# Altium PCB jetson-orin-baseboard.PcbDoc (part 3 of 4) (continued)
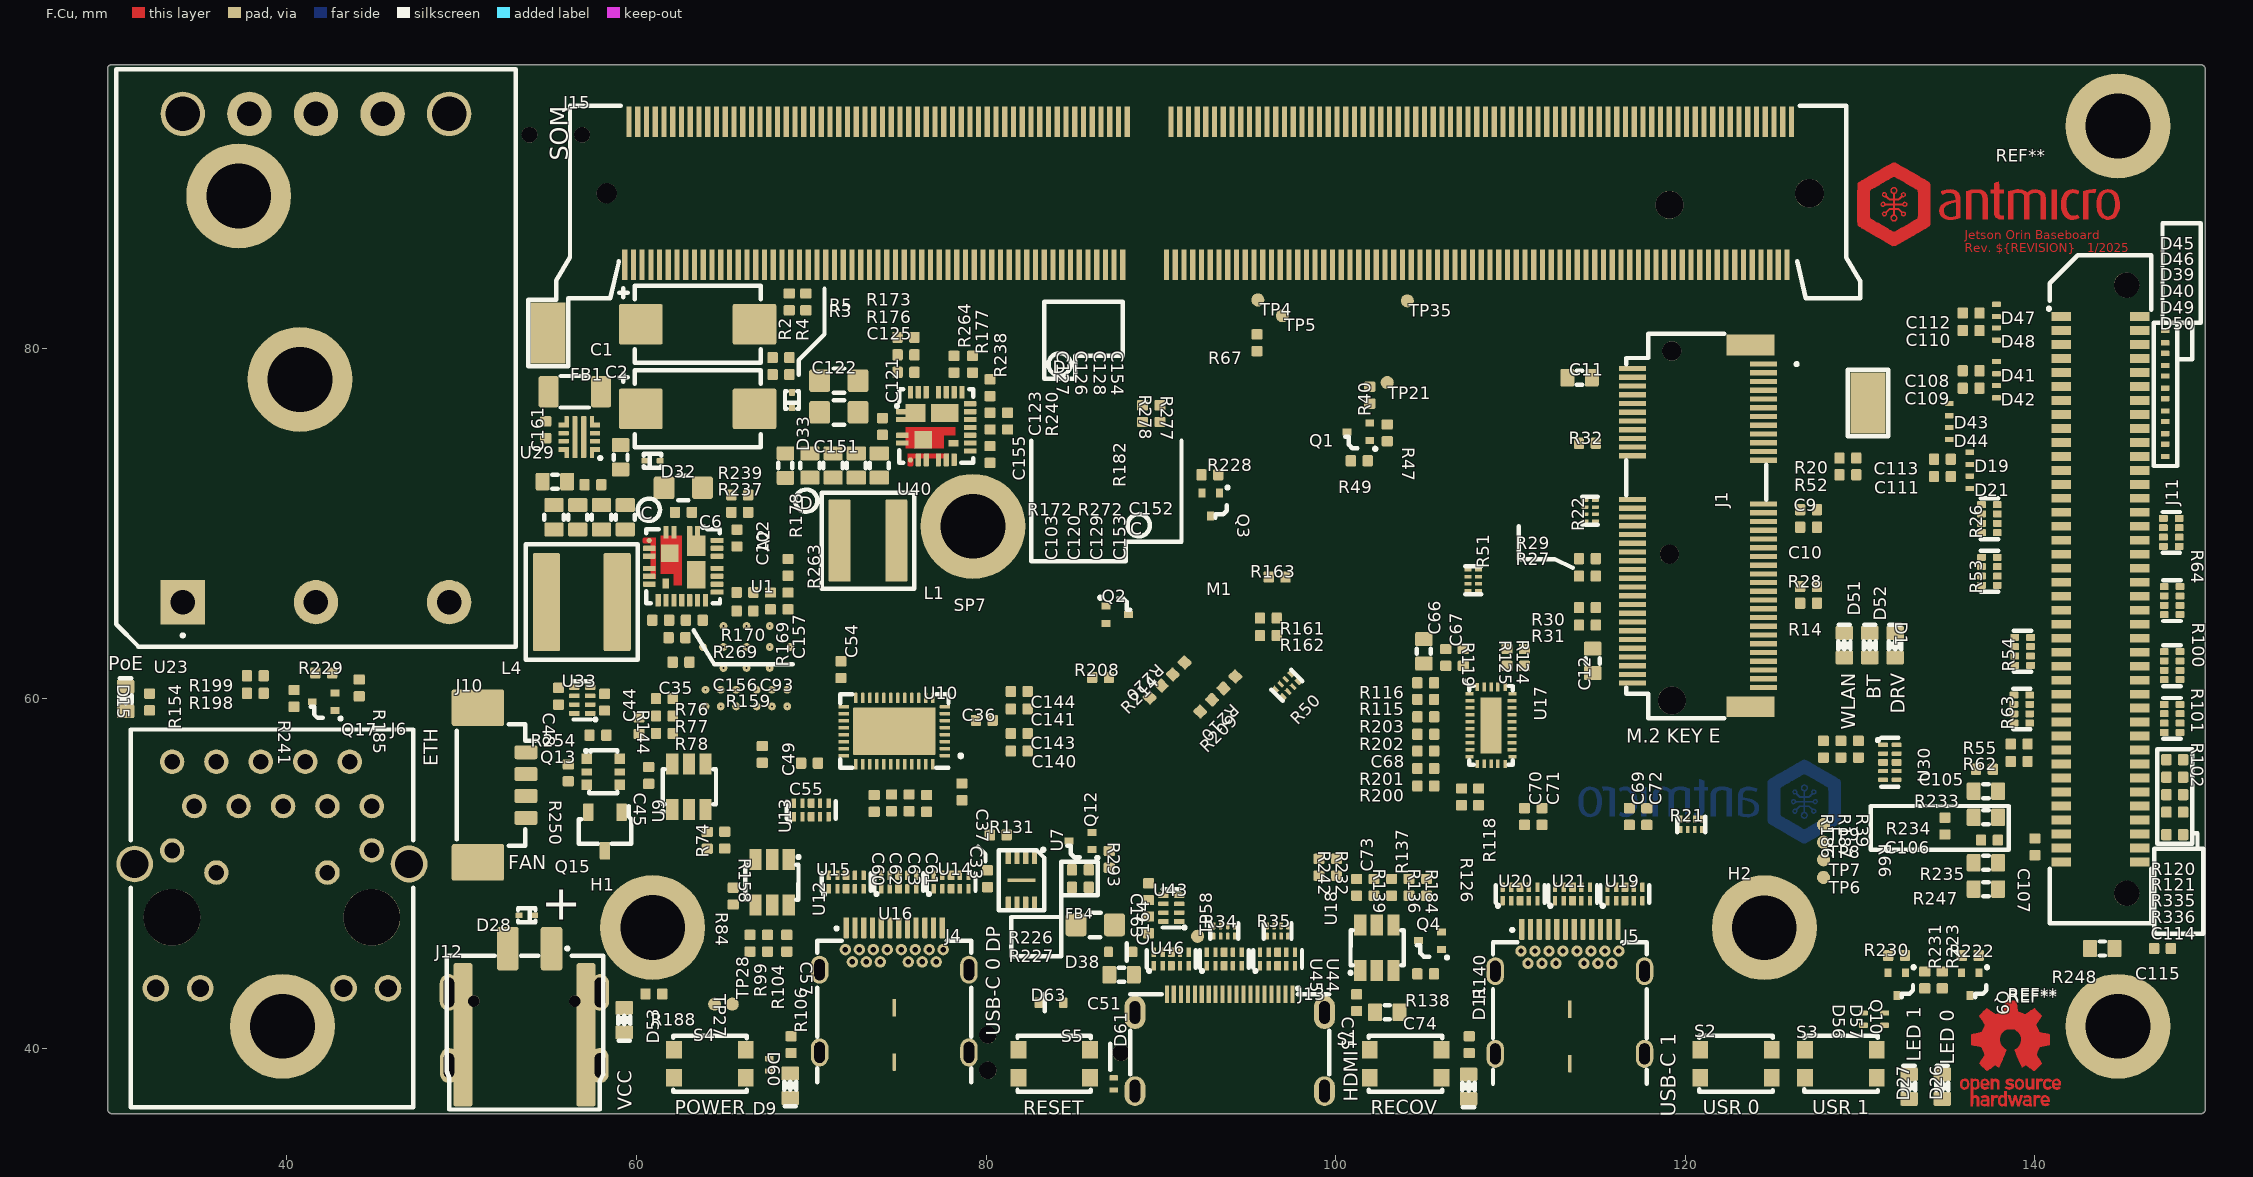
[diagram p0: F.Cu view]
## Part data (continued)
J1: library part Bus_M.2_2199230-6, Manufacturer 1="TE Connectivity", Author=Antmicro, License=Apache-2.0, Manufacturer Part Number 1=2199230-6, OldValue=Bus_M.2_2199230-6
J2: library part Bus_M.2_1-2199230-6, Manufacturer 1="TE Connectivity", Author=Antmicro, License=Apache-2.0, Manufacturer Part Number 1=1-2199230-6, OldValue=Bus_M.2_1-2199230-6
J3: library part USB-C_GCT_USB4105-GF-A, Manufacturer 1=GCT, Author=Antmicro, License=Apache-2.0, Manufacturer Part Number 1=USB4105-GF-A, OldValue=USB-C_GCT_USB4105-GF-A
J4 J5: library part USB-C_WE_632723300011, Manufacturer 1="Würth Elektronik", Author=Antmicro, License=Apache-2.0, Manufacturer Part Number 1=632723300011, OldValue=USB-C_WE_632723300011
J6: library part Bus_RJ45_5-2337992-8, Manufacturer 1="TE Connectivity", Author=Antmicro, License=Apache-2.0, Manufacturer Part Number 1=5-2337992-8, OldValue=Bus_RJ45_5-2337992-8
J7 J8: library part Conn_FFC_WE_68715014522, Manufacturer 1="Würth Elektronik", Author=Antmicro, License=Apache-2.0, Manufacturer Part Number 1=68715014522, OldValue=Conn_FFC_WE_68715014522
J9: library part Tag-Connect_TC2050-IDC-NL_2x5_P1.27mm_1, Manufacturer 1="Tag Connect", OldValue=Tag-Connect_TC2050-IDC-NL_2x5_P1.27mm, Author=Antmicro, License=Apache-2.0, Manufacturer Part Number 1=TC2050-IDC-NL
J10: library part Molex_PicoBlade_1x4_0533980471, Manufacturer 1=Molex, Author=Antmicro, License=Apache-2.0, Manufacturer Part Number 1=0533980471, OldValue=Molex_PicoBlade_1x4_0533980471
J11: library part Socket_Samtec_ERF8_2x40_ERF8-040-05.0-L-DV-K-TR, Manufacturer 1=Samtec, Author=Antmicro, License=Apache-2.0, Manufacturer Part Number 1=ERF8-040-05.0-L-DV-K-TR, OldValue=Socket_Samtec_ERF8_2x40_ERF8-040-05.0-L-DV-K-TR, Pitch="0.8 mm"
J12: library part Molex_Nano-Fit_1x2_SMD_1054301202, Manufacturer 1=Molex, Author=Antmicro, License=Apache-2.0, Manufacturer Part Number 1=105430-1202, OldValue=Molex_Nano-Fit_1x2_SMD_1054301202
J13: library part HDMI-Mini-C_WE_685119136923, Manufacturer 1="Würth Elektronik", Author=Antmicro, License=Apache-2.0, Manufacturer Part Number 1=685119136923, OldValue=HDMI-Mini-C_WE_685119136923
J14: library part JST_SH_1x4_SM04B-SRSS-TB-LF-SN, Manufacturer 1="JST Automotive Connectors", Author=Antmicro, License=Apache-2.0, Manufacturer Part Number 1=SM04B-SRSS-TB(LF)(SN), OldValue=JST_SH_1x4_SM04B-SRSS-TB-LF-SN
J15: library part Bus_DDR4_SODIMM_CUSTOM_Jetson-Orin-H9.2mm-socket, Manufacturer 1="TE Connectivity", Author=Antmicro, License=Apache-2.0, Manufacturer Part Number 1=2309413-1, OldValue=Bus_DDR4_SODIMM_CUSTOM_Jetson-Orin-H9.2mm-socket
L1: library part L_560n_17.7A_Bourns-SRP5030CA, Manufacturer 1=Bourns, Author=Antmicro, IMax="17.7 A", ISat="22.2 A", License=Apache-2.0, Manufacturer Part Number 1=SRP5030CA-R56M, OldValue=L_560n_17.7A_Bourns-SRP5030CA, Size=5.5x5.3, Val=560n/17.7A
L4: library part L_1u_20A_Bourns-SRP6050CA, Manufacturer 1=Bourns, Author=Antmicro, IMax="20 A", ISat="23 A", License=Apache-2.0, Manufacturer Part Number 1=SRP6050CA-1R0M, OldValue=L_1u_20A_Bourns-SRP6050CA, Size=6.6x6.4, Val=1u/20A
M1: library part Jetson-Orin-NX-Nano, Manufacturer 1=Nvidia, Author=Antmicro, Displayed name="Jetson Orin NX Nano", License=Apache-2.0, Manufacturer Part Number 1=900-13767-0000-000, OldValue=Jetson-Orin-NX-Nano
M1: library part Module_Jetson-Orin-NX-Nano, "Jetson Orin NX series and Jetson Orin Nano", OldValue=Jetson-Orin-NX-Nano, Manufacturer 1=Nvidia, Manufacturer Part Number 1=900-13767-0000-000, Footprint=antmicro-footprints:Module_Jetson-Orin-NX-Nano, Datasheet=https://static6.arrow.com/aropdfconversion/c4902ff7fe8bae4b5d563d5e41c1cfab77501490/jetson-orin-nx-datasheet-nvidia-us-web-2605318-5.pdf, Author=Antmicro, Displayed name="Jetson Orin NX Nano", License=Apache-2.0
M3: library part Mech_M2_2280_H2.5mm, Footprint=antmicro-footprints:Mech_M2_2280_H2.5mm, Author=Antmicro, License=Apache-2.0, OldValue=Mech_M2_2280_H2.5mm
Q1 Q2 Q3 Q4 Q5 Q7 Q8 Q9 Q10 Q11 Q12 Q17 Q19 Q20 Q21: library part PJE138K, Manufacturer 1=PANJIT, Author=Antmicro, License=Apache-2.0, Manufacturer Part Number 1=PJE138K_R1_00001, OldValue=PJE138K
Q6 Q15 Q16 Q18: library part SSM3J332R, Manufacturer 1=Toshiba, Author=Antmicro, License=Apache-2.0, Manufacturer Part Number 1=SSM3J332R,LF, OldValue=SSM3J332R
Q13 Q14 U26: Manufacturer 1="Diodes Incorporated", Author=Antmicro, License=Apache-2.0
  Q13 Q14: Manufacturer Part Number 1=BCM857BS-7-F, OldValue=BCM857BS-7-F
  U26: Manufacturer Part Number 1=PI4MSD5V9548AZDEX, OldValue=PI4MSD5V9548AZDEX
R1 R2 R3 R4 R5 R11 R12 R13 R14 R15 R16 R17 R18 R19 R20 R23 R29 R30 R31 R40 R41 R52 R55 R56 R57 R58 R59 R62 R65 R70 R71 R75 R76 R79 R82 R84 R118 R119 R120 R121 R124 R125 R129 R134 R141 R158 R161 R162 R166 R167 R168 R171 R174 R179 R183 R200 R201 R202 R203 R215 R216 R217 R218 R225 R226 R241 R244 R245 R260 R264 R268 R277 R278 R293: library part R_0R_0402, Current=1A, Manufacturer 1=Panasonic, Tolerance=~, Author=Antmicro, License=Apache-2.0, Manufacturer Part Number 1=ERJ2GE0R00X, OldValue=R_0R_0402, Val=0R
R6 R43 R45 R180 R185 R192 R205 R207 R222 R229 R230 R249 R270: library part R_100k_0402, Manufacturer 1=Bourns, Tolerance=1%, Author=Antmicro, License=Apache-2.0, Manufacturer Part Number 1=CR0402-FX-1003GLF, OldValue=R_100k_0402, Val=100k
R7 R8 R9 R10 R80 R81 R105 R106 R130 R164 R165 R246 R262: library part R_4k7_0402, Manufacturer 1=Bourns, Tolerance=1%, Author=Antmicro, License=Apache-2.0, Manufacturer Part Number 1=CR0402-FX-4701GLF, OldValue=R_4k7_0402, Val=4k7
R21 R22 R25 R33 R34 R35 R50 R51 R103 R107 R108 R122 R195 R204: library part R_4x0R_0201_array, Manufacturer 1=Panasonic, Author=Antmicro, License=Apache-2.0, Manufacturer Part Number 1=EXB-18VR000X, OldValue=R_4x0R_0201_array, Val=4x0R_0201
R24 R47 R49 R60 R66 R67 R83 R99 R131 R135 R136 R137 R138 R148 R149 R150 R153 R160 R163 R181 R188 R189 R193 R194 R211 R219 R228 R232 R238 R242 R250 R251 R254 R255 R259 R269 R275: library part R_10k_0402, Manufacturer 1=Bourns, Tolerance=1%, Author=Antmicro, License=Apache-2.0, Manufacturer Part Number 1=CR0402-FX-1002GLF, OldValue=R_10k_0402, Val=10k
R26 R53 R54 R63 R64 R100 R101 R102: library part R_4x330R_0402_array, Manufacturer 1=Panasonic, Author=Antmicro, License=Apache-2.0, Manufacturer Part Number 1=EXB-28V331JX, OldValue=R_4x330R_0402_array, Val=R_4x330R_0402
R27 R28 R32 R37 R38: library part R_47k_0402, Manufacturer 1=Bourns, Tolerance=1%, Author=Antmicro, License=Apache-2.0, Manufacturer Part Number 1=CR0402-FX-4702GLF, OldValue=R_47k_0402, Val=47k
R36 R48: library part R_4x2k2_0201_array, Manufacturer 1=Panasonic, Author=Antmicro, License=Apache-2.0, Manufacturer Part Number 1=EXB-18V222JX, OldValue=R_4x2k2_0201_array, Val=4x2k2_0201
R39 R68 R69 R72 R73 R132 R133 R147 R151 R152 R186 R187 R191 R223 R231 R236: library part R_200R_0402, Manufacturer 1=Bourns, Tolerance=1%, Author=Antmicro, License=Apache-2.0, Manufacturer Part Number 1=CR0402-FX-2000GLF, OldValue=R_200R_0402, Val=200R
R42 R44 R115: library part R_10k_0402_2, Manufacturer 1=Bourns, OldValue=R_10k_0402, Tolerance=1%, Author=Antmicro, License=Apache-2.0, Manufacturer Part Number 1=CR0402-FX-1002GLF, Val=10k
R46 R116: library part R_10k_0402_1, Manufacturer 1=Bourns, OldValue=R_10k_0402, Tolerance=1%, Author=Antmicro, License=Apache-2.0, Manufacturer Part Number 1=CR0402-FX-1002GLF, Val=10k
R61 R126 R257 R258 R261 R265 R266: library part R_200k_0402, Manufacturer 1=Bourns, Tolerance=1%, Author=Antmicro, License=Apache-2.0, Manufacturer Part Number 1=CR0402-FX-2003GLF, OldValue=R_200k_0402, Val=200k
R74: library part R_10k_0402_4, Manufacturer 1=Bourns, OldValue=R_10k_0402, Tolerance=1%, Author=Antmicro, License=Apache-2.0, Manufacturer Part Number 1=CR0402-FX-1002GLF, Val=10k
R77: library part R_10k_0402_3, Manufacturer 1=Bourns, OldValue=R_10k_0402, Tolerance=1%, Author=Antmicro, License=Apache-2.0, Manufacturer Part Number 1=CR0402-FX-1002GLF, Val=10k
R78 R104 R139 R208 R227 R279 R280 R281 R282 R294: library part R_2k2_0402, Manufacturer 1=Bourns, Tolerance=1%, Author=Antmicro, License=Apache-2.0, Manufacturer Part Number 1=CR0402-FX-2201GLF, OldValue=R_2k2_0402, Val=2k2
R85 R86 R87 R88 R89 R90 R91 R92 R93 R94 R95 R96 R97 R98 R111 R155 R156 R184 R256 R267: library part R_1k_0402, Manufacturer 1=Bourns, Tolerance=1%, Author=Antmicro, License=Apache-2.0, Manufacturer Part Number 1=CR0402-FX-1001GLF, OldValue=R_1k_0402, Val=1k
R109 R110: library part R_2M_0402, Manufacturer 1=YAGEO, Tolerance=1%, Author=Antmicro, License=Apache-2.0, Manufacturer Part Number 1=RC0402FR-072ML, OldValue=R_2M_0402, Val=2M
R112: library part R_4x100R_0201_array, Manufacturer 1=Panasonic, Author=Antmicro, License=Apache-2.0, Manufacturer Part Number 1=EXB-18V101JX, OldValue=R_4x100R_0201_array, Val=R_4x100R_0201
R113: library part R_0R_0402_6, Current=1A, Manufacturer 1=Panasonic, OldValue=R_0R_0402, Tolerance=~, Author=Antmicro, License=Apache-2.0, Manufacturer Part Number 1=ERJ2GE0R00X, Val=0R
R114: library part R_0R_0402_1, Current=1A, Manufacturer 1=Panasonic, OldValue=R_0R_0402, Tolerance=~, Author=Antmicro, License=Apache-2.0, Manufacturer Part Number 1=ERJ2GE0R00X, Val=0R
R117 R127: library part R_27R_0402, Manufacturer 1=Bourns, Tolerance=1%, Author=Antmicro, License=Apache-2.0, Manufacturer Part Number 1=CR0402-FX-27R0GLF, OldValue=R_27R_0402, Val=27R
R123: library part R_1k3_0402, Manufacturer 1=Bourns, Tolerance=1%, Author=Antmicro, License=Apache-2.0, Manufacturer Part Number 1=CR0402-FX-1301GLF, OldValue=R_1k3_0402, Val=1k3
R128: library part R_887k_0402, Manufacturer 1=Panasonic, Tolerance=1%, Author=Antmicro, License=Apache-2.0, Manufacturer Part Number 1=ERJ-2RKF8873X, OldValue=R_887k_0402, Val=887k
R140 R197 R206 R335 R336: library part R_470R_0402, Manufacturer 1=Bourns, Tolerance=1%, Author=Antmicro, License=Apache-2.0, Manufacturer Part Number 1=CR0402-FX-4700GLF, OldValue=R_470R_0402, Val=470R
R142: library part R_49k9_0402, Manufacturer 1=Bourns, Tolerance=1%, Author=Antmicro, License=Apache-2.0, Manufacturer Part Number 1=CR0402-FX-4992GLF, OldValue=R_49k9_0402, Val=49k9
R143 R172 R175 R178 R182 R233 R235 R248 R252 R253: library part R_0R_22.4A_0603, Manufacturer 1="ROHM Semiconductor", Max. Curr.=22.4A, Tolerance=template_tolerance, Author=Antmicro, License=Apache-2.0, Manufacturer Part Number 1=PMR03EZPJ000, OldValue=R_0R_22.4A_0603, Val=0R
R144: library part R_0R_0402_11, Current=1A, Manufacturer 1=Panasonic, OldValue=R_0R_0402, Tolerance=~, Author=Antmicro, License=Apache-2.0, Manufacturer Part Number 1=ERJ2GE0R00X, Val=0R
R145: library part R_1k2_0402, Manufacturer 1=Bourns, Tolerance=1%, Author=Antmicro, License=Apache-2.0, Manufacturer Part Number 1=CR0402-FX-1201GLF, OldValue=R_1k2_0402, Val=1k2
R146 R154: library part R_24k9_0402, Manufacturer 1=Bourns, Tolerance=1%, Author=Antmicro, License=Apache-2.0, Manufacturer Part Number 1=CR0402-FX-2492GLF, OldValue=R_24k9_0402, Val=24k9
R157 R234 R243 R247 R273 R276: library part R_0R_0603, Current=1A, Manufacturer 1=Bourns, Tolerance=~, Author=Antmicro, License=Apache-2.0, Manufacturer Part Number 1=CR0603-J/-000ELF, OldValue=R_0R_0603, Val=0R
R159 R173 R176 R237 R239 R240: library part R_499k_0402, Manufacturer 1=Bourns, Tolerance=1%, Author=Antmicro, License=Apache-2.0, Manufacturer Part Number 1=CR0402-FX-4993GLF, OldValue=R_499k_0402, Val=499k
R169: library part R_2k7_0402, Manufacturer 1=Bourns, Tolerance=1%, Author=Antmicro, License=Apache-2.0, Manufacturer Part Number 1=CR0402-FX-2701GLF, OldValue=R_2k7_0402, Val=2k7
R170: library part R_73k2_0402, Manufacturer 1=Bourns, Tolerance=1%, Author=Antmicro, License=Apache-2.0, Manufacturer Part Number 1=CR0402-FX-7322GLF, OldValue=R_73k2_0402, Val=73k2
R177: library part R_45k3_0402, Manufacturer 1=Bourns, Tolerance=1%, Author=Antmicro, License=Apache-2.0, Manufacturer Part Number 1=CR0402-FX-4532GLF, OldValue=R_45k3_0402, Val=45k3
R190: library part R_15k_0402, Manufacturer 1=Bourns, Tolerance=1%, Author=Antmicro, License=Apache-2.0, Manufacturer Part Number 1=CR0402-FX-1502GLF, OldValue=R_15k_0402, Val=15k
R196: library part R_63R4_0603, Manufacturer 1=Bourns, Tolerance=1%, Author=Antmicro, License=Apache-2.0, Manufacturer Part Number 1=CR0603-FX-63R4ELF, OldValue=R_63R4_0603, Val=63R4
R198 R199 R272 R274: library part R_470k_0402, Manufacturer 1=Bourns, Tolerance=1%, Author=Antmicro, License=Apache-2.0, Manufacturer Part Number 1=CR0402-FX-4703GLF, OldValue=R_470k_0402, Val=470k
R209 R210 R212 R213 R214 R220 R221 R224: library part R_499R_0402, Manufacturer 1=Bourns, Tolerance=1%, Author=Antmicro, License=Apache-2.0, Manufacturer Part Number 1=CR0402-FX-4990GLF, OldValue=R_499R_0402, Val=499R
R263: library part R_20k_0402, Manufacturer 1=Bourns, Tolerance=1%, Author=Antmicro, License=Apache-2.0, Manufacturer Part Number 1=CR0402-FX-2002GLF, OldValue=R_20k_0402, Val=20k
R271: library part R_10M_0402, Manufacturer 1=Bourns, Tolerance=1%, Author=Antmicro, License=Apache-2.0, Manufacturer Part Number 1=CR0402-FX-1005GLF, OldValue=R_10M_0402, Val=10M
REF** REF**: library part antmicro-logo_scaled_15mm
REF**: library part OSHW-Logo_5.7x6mm_Mask, "Open Source Hardware Logo"
REF**: library part OSHW-Logo_5.7x6mm_Copper, "Open Source Hardware Logo"
S1 S2 S3 S4 S5: library part SW_KMR211NGLFS_SMD, Manufacturer 1=C&K, Author=Antmicro, License=Apache-2.0, Manufacturer Part Number 1=KMR211NGLFS, OldValue=SW_KMR211NGLFS_SMD
SP7: library part Spacer_Drill3.7mm_H2.5mm_9774025151R, Manufacturer 1="Würth Elektronik", Author=Antmicro, License=Apache-2.0, Manufacturer Part Number 1=9774025151R, OldValue=Spacer_Drill3.7mm_H2.5mm_9774025151R
SP8: library part Spacer_Drill3.7mm_H2.5mm_9774025151R_1, Manufacturer 1="Würth Elektronik", OldValue=Spacer_Drill3.7mm_H2.5mm_9774025151R, Author=Antmicro, License=Apache-2.0, Manufacturer Part Number 1=9774025151R
SW1: library part SW_SPDT_PCM12SMTR, Manufacturer 1=C&K, Author=Antmicro, License=Apache-2.0, Manufacturer Part Number 1=PCM12SMTR, OldValue=SW_SPDT_PCM12SMTR
TP2 TP12 TP24 TP30 TP33: library part TP_0.75mm_SMD_3, Author=Antmicro, License=Apache-2.0, OldValue=TP_0.75mm_SMD
TP3 TP10 TP25: library part TP_0.75mm_SMD_1, Author=Antmicro, License=Apache-2.0, OldValue=TP_0.75mm_SMD
TP4 TP26: library part TP_0.75mm_SMD_5, Author=Antmicro, License=Apache-2.0, OldValue=TP_0.75mm_SMD
TP5 TP13: library part TP_0.75mm_SMD_4, Author=Antmicro, License=Apache-2.0, OldValue=TP_0.75mm_SMD
TP11 TP18 TP44: library part TP_0.75mm_SMD_2, Author=Antmicro, License=Apache-2.0, OldValue=TP_0.75mm_SMD
TP19: library part TP_0.75mm_SMD_7, Author=Antmicro, License=Apache-2.0, OldValue=TP_0.75mm_SMD
TP20: library part TP_0.75mm_SMD_6, Author=Antmicro, License=Apache-2.0, OldValue=TP_0.75mm_SMD
TP27: library part TP_0.75mm_SMD_10, Author=Antmicro, License=Apache-2.0, OldValue=TP_0.75mm_SMD
U1: library part SIC431AED-T1-GE3_1, Manufacturer 1=Vishay, Author=Antmicro, License=Apache-2.0, Manufacturer Part Number 1=SIC431AED-T1-GE3, OldValue=SIC431AED-T1-GE3
U2 U3: library part 74LVC2G07_SOT457, Manufacturer 1=Nexperia, Author=Antmicro, License=Apache-2.0, Manufacturer Part Number 1=74LVC2G07GV,125, OldValue=74LVC2G07_SOT457
U4 U31 U32 U33 U43 U47: library part NTS0102_XSON, Manufacturer 1=NXP, Author=Antmicro, License=Apache-2.0, Manufacturer Part Number 1=NTS0102GT, OldValue=NTS0102_XSON
U5: library part FT230X_QFN, Manufacturer 1="FTDI Chip", Author=Antmicro, License=Apache-2.0, Manufacturer Part Number 1=FT230XQ-R, OldValue=FT230X_QFN
U7: library part W25Q80DV_USON, Manufacturer 1=Winbond, Author=Antmicro, License=Apache-2.0, Manufacturer Part Number 1="W25Q80DVUXIE TR", OldValue=W25Q80DV_USON
U8 U41: library part NCP730BMT330_WSON, Manufacturer 1="ON Semiconductor", Author=Antmicro, License=Apache-2.0, Manufacturer Part Number 1=NCP730BMT330TBG, OldValue=NCP730BMT330_WSON
U9 U12 U18 U24 U25 U27 U28: library part AP22615A_TSOT26, Manufacturer 1="Diodes Incorporated", Author=Antmicro, License=Apache-2.0, Manufacturer Part Number 1=AP22615AWU-7, OldValue=AP22615A_TSOT26
U10: library part TUSB1046-DCIRNQ, Manufacturer 1="Texas Instruments", Author=Antmicro, License=Apache-2.0, Manufacturer Part Number 1=TUSB1046-DCIRNQT, OldValue=TUSB1046-DCIRNQ
U11: library part TPD4E05U06QDQARQ1_1, Manufacturer 1="Texas Instruments", Author=Antmicro, License=Apache-2.0, Manufacturer Part Number 1=TPD4E05U06QDQARQ1, OldValue=TPD4E05U06QDQARQ1
U13 U14 U15 U16 U19 U20 U21 U22 U30 U36 U44 U45 U46: Manufacturer 1="Texas Instruments", Author=Antmicro, License=Apache-2.0
  U13 U14 U15 U16 U19 U20 U21 U30 U44 U45 U46: Manufacturer Part Number 1=TPD4E05U06QDQARQ1, OldValue=TPD4E05U06QDQARQ1
  U22: Manufacturer Part Number 1=TPS2372-3RGWR, OldValue=TPS2372-3RGWR
  U36: Manufacturer Part Number 1=TS3DV642RUARQ1, OldValue=TS3DV642RUARQ1
U17: library part HD3SS3220RNH, Manufacturer 1="Texas Instruments", Author=Antmicro, License=Apache-2.0, Manufacturer Part Number 1=HD3SS3220RNHT, OldValue=HD3SS3220RNH
U23: library part ULS-12_5-D48N-C, Manufacturer 1=Murata, Alternatives 50W="VCB4812SBO-50WR3, V36SE12004NRFA, PKU5513ESI, KHHD004A2B41Z", Alternatives 75W=VCB4812SBO-75WR3, Alternatives 100W="PKU4913DPIHS, VCB4812SBO-100WFR3", Alternatives 120W=PQC50-48-S12-O, Author=Antmicro, License=Apache-2.0, Manufacturer Part Number 1=ULS-12/5-D48N-C, OldValue=ULS-12_5-D48N-C
U29 U48: library part LM73100, Manufacturer 1="Texas Instruments", Author=Antmicro, License=Apache-2.0, Manufacturer Part Number 1=LM73100RPWR, OldValue=LM73100
U34: library part PCAL6408A_VQFN, Manufacturer 1=NXP, Author=Antmicro, License=Apache-2.0, Manufacturer Part Number 1=PCAL6408ABSHP, OldValue=PCAL6408A_VQFN
U35: library part AP22653_DFN, Manufacturer 1="Diodes Incorporated", Author=Antmicro, License=Apache-2.0, Manufacturer Part Number 1=AP22653FDZ-7, OldValue=AP22653_DFN
U37: library part 74LVC2G14_SOT457, Manufacturer 1=Nexperia, Author=Antmicro, License=Apache-2.0, Manufacturer Part Number 1=74LVC2G14GV,125, OldValue=74LVC2G14_SOT457
U38: library part 74LVC1G175_SOT457, Manufacturer 1=Nexperia, Author=Antmicro, License=Apache-2.0, Manufacturer Part Number 1=74LVC1G175GV,125, OldValue=74LVC1G175_SOT457
U39: Manufacturer 1=Broadcom, Author=Antmicro, License=Apache-2.0, Manufacturer Part Number 1=ACPL-217-500E, OldValue=ACPL-217-500E
U40: Manufacturer 1=Vishay, Author=Antmicro, License=Apache-2.0, Manufacturer Part Number 1=SIC431AED-T1-GE3, OldValue=SIC431AED-T1-GE3
U42: library part TPS7A0518P_SOT23-5, Manufacturer 1="Texas Instruments", Author=Antmicro, License=Apache-2.0, Manufacturer Part Number 1=TPS7A0518PDBVT, OldValue=TPS7A0518P_SOT23-5
Y1: library part Oscillator_32.768kHz_ECS_2520MV, Manufacturer 1="ECS Inc. International", Author=Antmicro, License=Apache-2.0, Manufacturer Part Number 1=ECS-327MVATX-2-CN-TR3, OldValue=Oscillator_32.768kHz_ECS_2520MV, Val="32.768 kHz"
A2: Author=Antmicro, License=Apache-2.0, OldValue=Mech_M2_2242_H2.5mm
M3: Author=Antmicro, License=Apache-2.0, OldValue=Mech_M2_2280_H2.5mm
TP1 TP6 TP7 TP8 TP9 TP14 TP17 TP21 TP22 TP23 TP28 TP29 TP31 TP32 TP35 TP36 TP37 TP38 TP39 TP40 TP41 TP42 TP43 TP52 TP53 TP54 TP55 TP56 TP57 TP58: Author=Antmicro, License=Apache-2.0, OldValue=TP_0.75mm_SMD

## Nets (pads, with @x,y where several pads share a name; then routed paths per layer and width w, separated by ;. In a path a pad name is that pad's centre, name@x,y a point inside that pad or via, vN(x,y) a via of type N, cw(c..) or ccw(c..) an arc to the next point about the centre after c; other vN are vias at no path point)
1V8_CONN: C106.2 J11.73 R234.2
1V8_LDO: C142.2 R276.1 U42.5
3V3_BOOT: C125.2 U40.23
3V3_CONN: C105.2 J11.67 J11.69 R233.2
3V3_EN: R264.2 U40.19
3V3_FB: R177.1 R238.2 U40.17
3V3_LDO: C137.2 R273.1 U41.1
3V3_M2: C8.1 C21.1 C22.1 C23.1 C24.1 J2.12 R143.1 U2.5
3V3_MODE1: R176.2 R240.1 U40.21
3V3_MODE2: R173.2 U40.20
3V3_OUT: C126.2 C127.2 C128.2 C154.2 L1.2 R177.2 R178.1 U40.18
3V3_PHASE: C125.1 U40.24
3V3_STDB: C118.2 C119.2 D30.1 D34.2 R183.2 R247.2 R256.2 R259.2 R273.2 S5.1 S5.2 TP52.1 U37.5 U38.3 U38.5
3V3_STDB_CONN: C114.1 J11.74 R247.1
3V3_SW: L1.1 U40.5
3V3_VDD: C123.2 R240.2 U40.15
3V3_VDRV: C155.2 U40.12
5V_BOOT: C102.2 U1.23
5V_CONN: C107.2 J11.77 J11.79 R235.1
5V_EN: C157.1 R169.2 R263.1 U1.19
5V_FB: R170.1 R269.2 U1.17
5V_GATE: Q5.3 Q6.1 R181.1
5V_HDMI: C51.1 C164.2 D38.1 J13.18 R281.2 R282.2 U43.7
5V_MODE1: R159.1 R237.2 U1.21
5V_MODE2: R239.2 U1.20
5V_OUT: C103.2 C120.2 C129.2 C153.2 L4.2 R170.2 R172.1 U1.18
5V_PHASE: C102.1 U1.24
5V_SW: L4.1 U1.5
5V_VDD: C93.2 R159.2 U1.15
5V_VDRV: C156.2 U1.12
32.7KHZ_OUT: R19.1 R29.2 Y1.3
+1V8: C40.2 C44.2 C89.2 C96.2 C97.2 D31.1 Q1.1 R47.2 R80.2 R163.1 R167.2 R171.2 R179.2 R219.2 R232.2 R234.1 R242.2 R276.2 TP55.1 U4.3 U4.6 U26.21 U31.3 U31.6 U32.3 U32.6 U33.3 U33.6
+3V3: C7.1 C11.1 C12.1 C25.1 C26.1 C36.1 C37.1 C41.2 C43.1 C47.2 C49.2 C54.1 C55.1 C56.2 C68.1 C91.1 C100.2 C101.2 C104.2 C130.1 C163.2 D33.1 J1.2 J6.15 J6.17 Q2.1 R27.1 R28.1 R32.2 R37.1 R38.1 R39.2 R49.2 R66.1 R67.1 R81.1 R83.2 R85.2 R87.2 R89.2 R91.2 R93.2 R95.2 R97.2 R126.2 R130.1 R138.2 R143.2 R160.2 R166.2 R174.2 R178.2 R184.2 R186.2 R187.2 R189.2 R193.2 R194.2 R207.2 R208.2 R211.2 R217.1 R223.2 R228.2 R231.2 R233.1 R246.1 R262.1 R265.1 R266.1 R279.2 R280.2 TP54.1 U3.5 U4.7 U6.5 U10.1 U17.8 U25.6 U28.6 U31.7 U32.7 U34.14 U34.15 U35.6 U36.1 U43.3 U43.6 Y1.1 Y1.4
+5V: C35.2 C42.1 C45.1 C48.2 C57.1 C59.1 C66.1 C67.1 C73.1 C83.1 C90.1 FB4.1 J10.2 Q6.3 R74.2 R113.2 R115.1 R116.2 R135.2 R144.2 R158.2 R182.2 R235.2 TP53.1 U6.25 U6.46 U9.6 U12.6 U17.30 U18.6 U24.6 U27.6 U33.7 U42.1
+5V_SoM: D32.1 Q6.2 R172.2 R181.2 R182.1 R272.1 R274.1 R275.2 U29.1 U29.4 U29.5
AMPS_CTL: R123.2 U22.8
C_PCIE0_TX0_N: C17.1 J2.47
C_PCIE0_TX0_P: C13.1 J2.49
C_PCIE0_TX1_N: C18.1 J2.35
C_PCIE0_TX1_P: C14.1 J2.37
C_PCIE0_TX2_N: C19.1 J2.23
C_PCIE0_TX2_P: C15.1 J2.25
C_PCIE0_TX3_N: C20.1 J2.11
C_PCIE0_TX3_P: C16.1 J2.13
C_PCIE1_TX0_N: C10.2 J1.37
C_PCIE1_TX0_P: C9.2 J1.35
CAN_RX: J15.143 R335.1
CAN_TX: J15.145 R336.1
CLSA: R196.2 U22.3
CLSB: R145.2 U22.6
CSI0_CLK_N: J7.10 J15.10
CSI0_CLK_P: J7.11 J15.12
CSI0_D0_N: J7.7 J15.4
CSI0_D0_P: J7.8 J15.6
CSI0_D1_N: J7.5 J15.16
CSI0_D1_P: J7.6 J15.18
CSI1_0_D0_N: J7.3 R103.7
CSI1_0_D0_P: J7.4 R103.8
CSI1_0_D1_N: J7.1 R103.5
CSI1_0_D1_P: J7.2 R103.6
CSI1_1_D0_N: J8.7 R107.6
CSI1_1_D0_P: J8.8 R107.5
CSI1_1_D1_N: J8.5 R107.8
CSI1_1_D1_P: J8.6 R107.7
CSI1_CLK_N: J8.10 J15.9
CSI1_CLK_P: J8.11 J15.11
CSI1_D0_N: J15.3 R103.2 R107.3
CSI1_D0_P: J15.5 R103.1 R107.4
CSI1_D1_N: J15.15 R103.4 R107.1
CSI1_D1_P: J15.17 R103.3 R107.2
CSI2_CLK_N: J7.28 J15.28
CSI2_CLK_P: J7.29 J15.30
CSI2_D0_N: J7.25 J15.22
CSI2_D0_P: J7.26 J15.24
CSI2_D1_N: J7.23 J15.34
CSI2_D1_P: J7.24 J15.36
CSI3_0_D0_N: J7.21 R108.8
CSI3_0_D0_P: J7.22 R108.7
CSI3_0_D1_N: J7.19 R108.6
CSI3_0_D1_P: J7.20 R108.5
CSI3_1_D0_N: J8.25 R122.5
CSI3_1_D0_P: J8.26 R122.6
CSI3_1_D1_N: J8.23 R122.7
CSI3_1_D1_P: J8.24 R122.8
CSI3_CLK_N: J8.28 J15.27
CSI3_CLK_P: J8.29 J15.29
CSI3_D0_N: J15.21 R108.1 R122.4
CSI3_D0_P: J15.23 R108.2 R122.3
CSI3_D1_N: J15.33 R108.3 R122.2
CSI3_D1_P: J15.35 R108.4 R122.1
CSIA_3V3: C94.2 J7.47 J7.48 R132.2 U25.1
CSIA_3V3_ISET: R8.2 U25.5
CSIA_5V: C95.2 J7.49 J7.50 R197.2 U24.1
CSIA_5V_ISET: R7.2 U24.5
CSIA_FLG: R66.2 R195.1 U24.3 U25.3
CSIA_I2C_VCC: R36.5 R36.6 R36.7 R36.8 R166.1 R171.1
CSIA_PEN: R6.2 R25.1 R193.1 U24.4 U25.4
CSIB_3V3: C98.2 J8.47 J8.48 R133.2 U28.1
CSIB_3V3_ISET: R10.2 U28.5
CSIB_5V: C99.2 J8.49 J8.50 R206.2 U27.1
CSIB_5V_ISET: R9.2 U27.5
CSIB_FLG: R67.2 R195.2 U27.3 U28.3
CSIB_I2C_VCC: R48.5 R48.6 R48.7 R48.8 R174.1 R179.1
CSIB_PEN: R25.2 R180.2 R194.1 U27.4 U28.4
DEBUG_RXD: R56.2 U4.8
DEBUG_RXD_1V8: J15.238 U4.5
DEBUG_TXD: R57.2 U4.1
DEBUG_TXD_1V8: J15.236 U4.4
DEN: R146.1 U22.2
DISABLE_POE_DCDC: R25.4 U39.1
DP1_AUX_N: C138.1 R207.1 U10.25
DP1_AUX_P: C139.1 R205.1 U10.24
DP1_HDMI_AUX_N: J15.98 U36.4
DP1_HDMI_AUX_P: J15.100 U36.3
DP1_HPD: J15.96 R40.2 TP21.1
DP1_TXD0_HDMI_TX2_N: C92.2 J15.63
DP1_TXD0_HDMI_TX2_P: C135.2 J15.65
DP1_TXD0_N: U10.10 U36.31
DP1_TXD0_P: U10.9 U36.32
DP1_TXD1_HDMI_TX1_N: C88.2 J15.69
DP1_TXD1_HDMI_TX1_P: C133.2 J15.71
DP1_TXD1_N: U10.13 U36.33
DP1_TXD1_P: U10.12 U36.34
DP1_TXD2_HDMI_TX0_N: C87.2 J15.75
DP1_TXD2_HDMI_TX0_P: C132.2 J15.77
DP1_TXD2_N: U10.16 U36.35
DP1_TXD2_P: U10.15 U36.36
DP1_TXD3_HDMI_TXC_N: C86.2 J15.81
DP1_TXD3_HDMI_TXC_P: C131.2 J15.83
DP1_TXD3_N: U10.19 U36.37
DP1_TXD3_P: U10.18 U36.38
DP_MUX_AUX_A+: R277.1 U36.40
DP_MUX_AUX_A-: R278.1 U36.39
DP_MUX_AUX_B+: C139.2 U36.42
DP_MUX_AUX_B-: C138.2 U36.41
DP_MUX_D0+: C131.1 U36.5
DP_MUX_D0-: C86.1 U36.6
DP_MUX_D1+: C132.1 U36.7
DP_MUX_D1-: C87.1 U36.8
DP_MUX_D2+: C133.1 U36.10
DP_MUX_D2-: C88.1 U36.11
DP_MUX_D3+: C135.1 U36.12
DP_MUX_D3-: C92.1 U36.13
DP_MUX_EN: R160.1 U36.2
DRAIN1: U6.52
DRAIN2: U6.15
EEPROM_PWR: C33.1 D35.1 J9.1 R131.2 U7.3 U7.7 U7.8
FAN_PWM: J15.230 U33.5
FAN_PWM_5V: J10.4 U33.8
FAN_TACH: J15.208 U33.4
FAN_TACH_5V: J10.3 U33.1
FTDI_3V3: C27.1 C29.1 C34.2 C158.1 C159.1 R46.1 R72.2 R73.2 R111.2 R267.2 R270.2 U5.1 U5.8 U5.10 U8.1 U47.3 U47.7
FTDI_CBUS0{slash}SDA: R267.1 U5.12 U47.5
FTDI_CBUS3{slash}SCL: R111.1 U5.14 U47.4
FTDI_CBUS_EN: Q20.3 Q21.3 R270.1 U47.6
FTDI_LED_RX: D3.1 Q21.1 U5.11
FTDI_LED_TX: D2.1 U5.5
GBE_LED_ACT: J15.194 R151.2
GBE_LED_LINK: J15.188 R152.2
GBE_MDI0_N: J6.2 J15.184
GBE_MDI0_P: J6.1 J15.186
GBE_MDI1_N: J6.6 J15.190
GBE_MDI1_P: J6.3 J15.192
GBE_MDI2_N: J6.8 J15.196
GBE_MDI2_P: J6.7 J15.198
GBE_MDI3_N: J6.10 J15.202
GBE_MDI3_P: J6.9 J15.204
GND: BT1.2 C1.2 C2.2 C5.1 C6.2 C7.2 C8.2 C11.2 C12.2 C21.2 C22.2 C23.2 C24.2 C25.2 C26.2 C27.2 C28.1 C29.2 C30.1 C31.2 C32.2 C33.2 C34.1 C35.1 C36.2 C37.2 C40.1 C41.1 C42.2 C43.2 C44.1 C45.2 C47.1 C48.1 C49.1 C51.2 C52.2 C53.2 C54.2 C55.2 C56.1 C57.2 C58.2 C59.2 C64.2 C65.2 C66.2 C67.2 C68.2 C73.2 C74.2 C75.2 C77.1 C78.2 C83.2 C84.1 C85.1 C89.1 C90.2 C91.2 C93.1 C94.1 C95.1 C96.1 C97.1 C98.1 C99.1 C100.1 C101.1 C103.1 C104.1 C105.1 C106.1 C107.1 C114.2 C115.2 C116.1 C117.1 C118.1 C119.1 C120.1 C121.2 C122.1 C123.1 C124.1 C126.1 C127.1 C128.1 C129.1 C130.2 C134.1 C136.2 C137.1 C142.1 C145.1 C146.2 C147.2 C148.2 C149.1 C151.1 C152.1 C153.1 C154.1 C155.1 C156.1 C157.2 C158.2 C159.2 C160.1 C161.1 C163.1 C164.1 D4.1 D5.1 D6.2 D7.2 D8.1 D9.1 D10.2 D11.1 D16.2 D17.2 D18.1 D19.2 D20.1 D21.2 D22.2 D23.2 D24.1 D25.1 D28.2 D29.2 D30.2 D31.2 D32.2 D33.2 D39.2 D40.2 D41.2 D42.2 D43.2 D44.2 D45.2 D46.2 D47.2 D48.2 D49.2 D50.2 D53.1 D54.1 D55.1 D56.1 D57.1 D58.1 D59.1 D60.1 D61.1 H1.1 H2.1 H3.1 H4.1 H5.1 H6.1 J1.1 J1.MP J2.1 J2.MP1 J3.A1 J3.SH J4.A1 J4.SH J5.A1 J5.SH J7.9 J7.12 J7.15 J7.18 J7.27 J7.30 J7.MP1 J7.MP2 J8.9 J8.12 J8.15 J8.18 J8.27 J8.30 J8.MP1 J8.MP2 J9.3 J9.5 J9.9 J10.1 J11.1 J11.2 J11.4 J11.7 J11.10 J11.13 J11.16 J11.19 J11.22 J11.25 J11.28 J11.37 J11.38 J11.49 J11.50 J11.61 J11.62 J11.71 J11.72 J11.75 J11.76 J12.2 J12.MP J13.1 J13.4 J13.7 J13.10 J13.13 J13.SH J14.1 J14.MP J15.1 Q2.2 Q3.2 Q4.2 Q5.2 Q7.2 Q8.2 Q9.2 Q10.2 Q11.2 Q12.2 Q19.2 Q20.2 Q21.2 R6.1 R7.1 R8.1 R9.1 R10.1 R41.1 R43.1 R45.1 R61.1 R77.1 R78.1 R86.2 R88.2 R90.2 R92.2 R94.2 R96.2 R98.2 R99.1 R104.1 R109.2 R110.2 R114.1 R118.1 R119.1 R139.1 R147.1 R156.2 R157.1 R165.1 R168.1 R169.1 R173.1 R176.1 R180.1 R190.1 R192.1 R205.2 R218.1 R222.1 R227.1 R230.1 R237.1 R238.1 R239.1 R249.1 R250.1 R251.1 R254.1 R255.1 R261.1 R269.1 R271.1 S1.3 S1.4 S2.3 S2.4 S3.3 S3.4 S4.3 S4.4 SP7.1 SP8.1 SW1.S4 TP23.1 U1.13 U1.16 U2.2 U3.2 U4.2 U5.13 U6.20 U6.59 U7.4 U8.3 U8.5 U9.2 U10.41 U11.3 U12.2 U13.3 U14.3 U15.3 U16.3 U17.13 U18.2 U19.3 U20.3 U21.3 U23.4 U23.5 U24.2 U25.2 U26.9 U26.18 U26.23 U27.2 U28.2 U29.2 U29.8 U29.9 U30.3 U31.2 U32.2 U33.2 U34.6 U35.5 U35.7 U36.43 U37.2 U38.2 U40.13 U40.16 U41.3 U41.5 U42.2 U43.2 U44.3 U45.3 U46.3 U47.2 U48.2 U48.8 U48.9 Y1.2
GNDD: C79.1 C80.1 C81.1 C82.1 D15.1 Q17.2 R155.1 R185.1 R229.1 U22.11 U22.12 U23.3
GPIO01: J15.118 R26.7
GPIO01_CONN: J11.31 R26.2
GPIO07: J15.206 R26.8
GPIO07_CONN: J11.33 R26.1
GPIO09: J15.211 R53.7
GPIO09_CONN: J11.35 R53.2
GPIO010: J15.212 R80.1 R244.2 R245.1
GPIO11: J15.216 R100.7
GPIO11_CONN: J11.42 R100.2
GPIO12: R2.2 R100.8
GPIO12_CONN: J11.40 R100.1
GPIO13: R3.2 R64.5
GPIO13_CONN: J11.36 R64.4
GPIOEX_ADDR: R218.2 U34.16
GPIOEX_I2C_SCL: R216.2 U34.12
GPIOEX_I2C_SDA: R215.2 U34.13
GPIOEX_P0_0: R25.8 U34.2
GPIOEX_P0_1: R25.7 U34.3
GPIOEX_P0_2: R25.6 U34.4
GPIOEX_P0_3: R25.5 U34.5
GPIOEX_P0_4: R195.8 U34.7
GPIOEX_P0_5: R195.7 U34.8
GPIOEX_P0_6: R195.6 U34.9
GPIOEX_P0_7: R195.5 U34.10
GPIOEX_RESET: R217.2 U34.1
HDMI_CEC_5V: J13.14 TP58.1 U46.5
HDMI_CLK_CONN_N: J13.12 R34.1 U45.1
HDMI_CLK_CONN_P: J13.11 R34.2 U45.2
HDMI_CLK_N: R34.8 R221.2 U36.28
HDMI_CLK_P: R34.7 R224.2 U36.29
HDMI_D0_CONN_N: J13.9 R34.3 U45.4
HDMI_D0_CONN_P: J13.8 R34.4 U45.5
HDMI_D0_N: R34.6 R214.2 U36.26
HDMI_D0_P: R34.5 R220.2 U36.27
HDMI_D1_CONN_N: J13.6 R35.1 U44.1
HDMI_D1_CONN_P: J13.5 R35.2 U44.2
HDMI_D1_N: R35.8 R212.2 U36.24
HDMI_D1_P: R35.7 R213.2 U36.25
HDMI_D2_CONN_N: J13.3 R35.3 U44.4
HDMI_D2_CONN_P: J13.2 R35.4 U44.5
HDMI_D2_N: R35.6 R209.2 U36.22
HDMI_D2_P: R35.5 R210.2 U36.23
HDMI_HPD: Q12.3 R208.1 R225.1 R226.1 TP22.1 U36.21
HDMI_HPD_5V: J13.19 R226.2 R227.2 R293.2 U46.1
HDMI_HPD_5V_R: Q12.1 R293.1
HDMI_SCL_3V3: R277.2 R280.1 TP57.1 U43.4
HDMI_SCL_5V: J13.15 R282.1 U43.1 U46.4
HDMI_SDA_3V3: R278.2 R279.1 TP56.1 U43.5
HDMI_SDA_5V: J13.16 R281.1 U43.8 U46.2
HPDIN: R75.2 U10.32
I2C1_SCL: D56.2 J14.4 J15.189
I2C1_SDA: D57.2 J14.3 J15.191
I2C2_SCL: J15.232 R121.2 U30.5
I2C2_SDA: J15.234 R120.2 U30.4
I2C_CONN_3V3: J14.2 R191.2 U35.1
I2C_CONN_PEN: R189.1 R192.2 U35.4
I2C_MUX_A0: R167.1 R168.2 U26.22
I2C_MUX_RESET: R163.2 U26.24
I2C_MUX_SCL: R162.1 U26.19
I2C_MUX_SDA: R161.1 U26.20
I2S0_LRCK: J15.197 R54.6
I2S0_LRCK_CONN: J11.47 R54.3
I2S0_SCLK: J15.199 R100.5
I2S0_SCLK_CONN: J11.46 R100.4
I2S0_SDIN: J15.195 R54.5
I2S0_SDIN_CONN: J11.45 R54.4
I2S0_SDOUT: J15.193 R101.8
I2S0_SDOUT_CONN: J11.48 R101.1
I2S1_LRCK: J15.224 R21.2
I2S1_SCLK: J15.226 R21.1
I2S1_SDIN: J15.222 R21.3
I2S1_SDOUT: J15.220 R21.4
M2_E_I2C_CLK: J1.60 R31.1
M2_E_I2C_DAT: J1.58 R30.1
M2_E_PCM_CLK: J1.8 R21.8
M2_E_PCM_IN: J1.12 R21.6
M2_E_PCM_OUT: J1.14 R21.5
M2_E_PCM_SYNC: J1.10 R21.7
M2_E_SUSCLK: J1.50 R29.1
M2_E_UART_CTS: J1.34 R22.7
M2_E_UART_RTS: J1.36 R22.6
M2_E_UART_RX: J1.22 R22.5
M2_E_UART_TX: J1.32 R22.8
M2_E_W_DIS_1: J1.56 TP7.1
M2_E_W_DIS_2: J1.54 TP8.1
M2_M_SMB_CLK: J2.40 TP12.1
M2_M_SMB_DATA: J2.42 TP11.1
M2_M_SUSCLK: J2.68 R19.2
MISO: J9.6 R112.2 R204.4
MODULE_ID: J15.217 R275.1 U48.1 U48.4
MOSI: J9.8 R112.3 R204.2
MPS_DUTY: R129.1 U22.9
MUX_I2C_4_SCL: TP37.1 U26.11
MUX_I2C_4_SDA: TP36.1 U26.10
MUX_I2C_5_SCL: TP39.1 U26.13
MUX_I2C_5_SDA: TP38.1 U26.12
MUX_I2C_6_SCL: TP41.1 U26.15
MUX_I2C_6_SDA: TP40.1 U26.14
MUX_I2C_7_SCL: TP43.1 U26.17
MUX_I2C_7_SDA: TP42.1 U26.16
NetBT1_1: BT1.1 R294.1
NetC31_1: C31.1 R46.2 U5.9
NetC50_1: C50.1 C150.1 Q18.1 R164.1 R165.2
NetC77_2: C77.2 J6.4 J6.5
NetC78_1: C78.1 J6.19 R147.2
NetC116_2: C116.2 D36.2 D60.2 Q7.3 R258.1 S4.1 S4.2 SW1.3 U37.1
NetC117_2: C117.2 D36.1 D37.2 R257.2 U37.3
NetC124_2: C124.2 D61.2 Q8.1 R261.2 S5.3 S5.4
NetC160_2: C160.2 U48.7
NetC161_2: C161.2 U29.7
NetD1_1: D1.1 J2.10
NetD1_2: D1.2 R39.1
NetD2_2: D2.2 R72.1
NetD3_2: D3.2 R73.1
NetD4_2: D4.2 R68.2
NetD5_2: D5.2 R69.2
NetD8_2: D8.2 R105.2
NetD9_2: D9.2 R106.1
NetD11_2: D11.2 R140.1
NetD12_1: D12.1 D13.1 FB3.1
NetD12_2: D12.2 D13.2 FB2.1
NetD15_2: D15.2 R154.1
NetD18_2: D18.2 R132.1
NetD20_2: D20.2 R197.1
NetD24_2: D24.2 R133.1
NetD25_2: D25.2 R206.1
NetD26_1: D26.1 Q9.3
NetD26_2: D26.2 R223.1
NetD27_1: D27.1 Q10.3
NetD27_2: D27.2 R231.1
NetD28_1: D28.1 J12.1 Q13.4 Q15.3
NetD37_1: D37.1 R236.1
NetD38_2: D38.2 FB4.2
NetD51_2: D51.2 R186.1
NetD52_2: D52.2 R187.1
NetD53_2: D53.2 R188.1
NetD54_2: D54.2 R191.1
NetD63_2: D63.2 R112.1
NetJ6_16: J6.16 R152.1
NetJ6_18: J6.18 R151.1
NetJ7_39: J7.39 R50.8
NetJ7_40: J7.40 R50.7
NetJ7_41: J7.41 R50.6
NetJ7_42: J7.42 R50.5
NetJ8_39: J8.39 R51.8
NetJ8_40: J8.40 R51.7
NetJ8_41: J8.41 R51.6
NetJ8_42: J8.42 R51.5
NetJ11_63: J11.63 R55.2
NetJ11_64: J11.64 R120.1
NetJ11_65: J11.65 R62.2
NetJ11_66: J11.66 R121.1
NetJ11_68: J11.68 R335.2
NetJ11_70: J11.70 R336.2
NetJ15_94: J15.94 TP35.1
NetJ15_114: J15.114 R12.1
NetJ15_116: J15.116 TP5.1
NetJ15_120: J15.120 R11.1
NetJ15_122: J15.122 TP4.1
NetJ15_124: J15.124 R1.1
NetJ15_210: J15.210 TP44.1
NetJ15_218: J15.218 R2.1 R4.1
NetJ15_228: J15.228 R3.1 R5.1
NetQ1_2: Q1.2 R40.1 R47.1
NetQ1_3: Q1.3 R49.1 U36.14
NetQ2_3: Q2.3 R209.1 R210.1 R212.1 R213.1 R214.1 R220.1 R221.1 R224.1
NetQ3_3: Q3.3 R225.2 R228.1 U36.17
NetQ4_3: Q4.3 R137.1 U18.4
NetQ11_1: Q11.1 U37.4
NetQ11_3: Q11.3 R259.1 U38.6
NetQ13_2: Q13.2 Q13.3 Q13.5 R250.2
NetQ13_6: Q13.6 Q15.1 R254.2
NetQ14_2: Q14.2 Q14.3 Q14.5 R251.2
NetQ14_6: Q14.6 Q16.1 R255.2
NetQ19_1: Q19.1 R24.1 R60.1 R61.2
NetR56_1: R56.1 U5.15
NetR57_1: R57.1 U5.2
NetR58_1: R58.1 U5.16
NetR59_1: R59.1 U5.4
NetR76_2: R76.2 R77.2 U9.4
NetR78_2: R78.2 U9.5
NetR84_2: R84.2 R99.2 U12.4
NetR104_2: R104.2 U12.5
NetR155_2: R155.2 U39.3
NetR156_1: R156.1 U39.2
NetR157_2: R157.2 R243.2 U23.6
NetR190_2: R190.2 U35.2
NetR211_1: R211.1 U36.16
NetR256_1: R256.1 R257.1 SW1.2
NetR258_2: R258.2 U37.6 U38.1
NetR260_1: R260.1 U38.4
NetR268_2: R268.2 U42.3
NetR272_2: R272.2 U29.3
NetR274_2: R274.2 U48.3
NetTP13_1: TP13.1 U6.30
NetTP28_1: TP28.1 U10.29
PAIR_12: D12.3 J6.11
PAIR_36: D12.4 J6.12
PAIR_78: D13.4 J6.13
PAIR_910: D13.3 J6.14
PCIE0_CLK_N: J2.53 J15.160
PCIE0_CLK_P: J2.55 J15.162
PCIE0_CLKREQ*: J15.180 R17.1 U2.3 U3.6
PCIE0_RST*: J15.181 R18.1 U3.4
PCIE0_RX0_N: J2.41 J15.131
PCIE0_RX0_P: J2.43 J15.133
PCIE0_RX1_N: J2.29 J15.137
PCIE0_RX1_P: J2.31 J15.139
PCIE0_RX2_N: J2.17 J15.149
PCIE0_RX2_P: J2.19 J15.151
PCIE0_RX3_N: J2.5 J15.155
PCIE0_RX3_P: J2.7 J15.157
PCIE0_TX0_N: C17.2 J15.134
PCIE0_TX0_P: C13.2 J15.136
PCIE0_TX1_N: C18.2 J15.140
PCIE0_TX1_P: C14.2 J15.142
PCIE0_TX2_N: C19.2 J15.148
PCIE0_TX2_P: C15.2 J15.150
PCIE0_TX3_N: C20.2 J15.154
PCIE0_TX3_P: C16.2 J15.156
PCIE1_CLK_N: J1.49 J15.173
PCIE1_CLK_P: J1.47 J15.175
PCIE1_CLKREQ*: J1.53 J15.182 R28.2
PCIE1_RST*: J1.52 J15.183 R27.2
PCIE1_RX0_N: J1.43 J15.167
PCIE1_RX0_P: J1.41 J15.169
PCIE1_TX0_N: C10.1 J15.172
PCIE1_TX0_P: C9.1 J15.174
PCIE2_CLK_N: D43.1 J11.15 J15.52
PCIE2_CLK_P: D44.1 J11.17 J15.54
PCIE2_CLKREQ*: J15.221 R26.6
PCIE2_CLKREQ_CONN*: J11.29 R26.3
PCIE2_RST*: J15.219 R26.5
PCIE2_RST_CONN*: J11.27 R26.4
PCIE2_RX0_N: D39.1 J11.12 J15.40
PCIE2_RX0_P: D40.1 J11.14 J15.42
PCIE2_RX1_N: D45.1 J11.6 J15.58

## Text inside footprints (layer, text, board x,y; h text height)
D24: B.Fab "Author: Antmicro" at 109.672,89.384 h0.7; B.Fab "License: Apache-2.0" at 109.672,90.468 h0.7
D25: B.Fab "Author: Antmicro" at 109.672,87.884 h0.7; B.Fab "License: Apache-2.0" at 109.672,88.968 h0.7
D26: F.Fab "Author: Antmicro" at 130.418,30.937 h0.7 r90; F.Fab "License: Apache-2.0" at 131.734,29.108 h0.7 r90
D27: F.Fab "Author: Antmicro" at 128.518,30.937 h0.7 r90; F.Fab "License: Apache-2.0" at 129.834,29.108 h0.7 r90
D28: F.Fab "Author: Antmicro" at 54.255,52.783 h0.7; F.Fab "License: Apache-2.0" at 54.255,51.467 h0.7
D29: B.Fab "License: Apache-2.0" at 48.267,87.67 h0.7 r270; B.Fab "Author: Antmicro" at 47.183,87.67 h0.7 r270
D30: B.Fab "Author: Antmicro" at 76.017,84.53 h0.7 r90; B.Fab "License: Apache-2.0" at 74.933,84.53 h0.7 r90
D31: B.Fab "License: Apache-2.0" at 64.11,75.727 h0.7; B.Fab "Author: Antmicro" at 64.11,74.643 h0.7
D32: F.Fab "Author: Antmicro" at 60.095,67.383 h0.7; F.Fab "License: Apache-2.0" at 60.095,68.467 h0.7
D33: F.Fab "License: Apache-2.0" at 74.033,76.245 h0.7 r90; F.Fab "Author: Antmicro" at 75.117,76.245 h0.7 r90
D34: B.Fab "License: Apache-2.0" at 48.717,83.124 h0.7 r270; B.Fab "Author: Antmicro" at 50.033,83.124 h0.7 r270
D35: B.Fab "Author: Antmicro" at 69.976,62.073 h0.7; B.Fab "License: Apache-2.0" at 69.976,60.757 h0.7
D36: B.Fab "License: Apache-2.0" at 67.789,92.917 h0.7; B.Fab "Author: Antmicro" at 65.959,91.833 h0.7
D37: B.Fab "License: Apache-2.0" at 65.439,91.467 h0.7; B.Fab "Author: Antmicro" at 63.609,90.383 h0.7
D38: F.Fab "License: Apache-2.0" at 88.826,50.767 h0.7; F.Fab "Author: Antmicro" at 88.826,49.683 h0.7
D39: F.Fab "Author: Antmicro" at 152.367,77.15 h0.7 r90; F.Fab "License: Apache-2.0" at 153.683,77.15 h0.7 r90
D40: F.Fab "Author: Antmicro" at 142.533,77.75 h0.7 r270; F.Fab "License: Apache-2.0" at 141.217,77.75 h0.7 r270
D41: F.Fab "Author: Antmicro" at 142.717,77.98 h0.7 r90; F.Fab "License: Apache-2.0" at 144.033,77.98 h0.7 r90
D42: F.Fab "License: Apache-2.0" at 131.567,78.5 h0.7 r270; F.Fab "Author: Antmicro" at 132.883,78.5 h0.7 r270
D43: F.Fab "Author: Antmicro" at 140.017,75.58 h0.7 r90; F.Fab "License: Apache-2.0" at 141.333,75.58 h0.7 r90
D44: F.Fab "License: Apache-2.0" at 128.867,76.109 h0.7 r270; F.Fab "Author: Antmicro" at 130.183,76.109 h0.7 r270
D45: F.Fab "Author: Antmicro" at 152.367,79.75 h0.7 r90; F.Fab "License: Apache-2.0" at 153.683,79.75 h0.7 r90
D46: F.Fab "License: Apache-2.0" at 141.217,80.35 h0.7 r270; F.Fab "Author: Antmicro" at 142.533,80.35 h0.7 r270
D47: F.Fab "License: Apache-2.0" at 144.033,81.25 h0.7 r90; F.Fab "Author: Antmicro" at 142.717,81.25 h0.7 r90
D48: F.Fab "Author: Antmicro" at 132.883,81.8 h0.7 r270; F.Fab "License: Apache-2.0" at 131.567,81.8 h0.7 r270
D49: F.Fab "Author: Antmicro" at 152.367,74.55 h0.7 r90; F.Fab "License: Apache-2.0" at 153.683,74.55 h0.7 r90
D50: F.Fab "License: Apache-2.0" at 141.217,75.15 h0.7 r270; F.Fab "Author: Antmicro" at 142.533,75.15 h0.7 r270
D51: F.Fab "License: Apache-2.0" at 126.134,54.358 h0.7 r90; F.Fab "Author: Antmicro" at 124.818,56.187 h0.7 r90
D52: F.Fab "License: Apache-2.0" at 127.584,54.358 h0.7 r90; F.Fab "Author: Antmicro" at 126.268,56.187 h0.7 r90
D53: F.Fab "License: Apache-2.0" at 63.532,40.028 h0.7 r90; F.Fab "Author: Antmicro" at 64.616,40.028 h0.7 r90
D54: B.Fab "License: Apache-2.0" at 133.734,47.692 h0.7 r90; B.Fab "Author: Antmicro" at 132.418,45.863 h0.7 r90
D55: B.Fab "License: Apache-2.0" at 100.55,46.167 h0.7; B.Fab "Author: Antmicro" at 100.55,45.083 h0.7
D56: F.Fab "Author: Antmicro" at 135.107,40.71 h0.7 r90; F.Fab "License: Apache-2.0" at 136.423,40.71 h0.7 r90
D57: F.Fab "License: Apache-2.0" at 137.633,40.71 h0.7 r90; F.Fab "Author: Antmicro" at 136.317,40.71 h0.7 r90
D58: B.Fab "Author: Antmicro" at 119.3,41.783 h0.7; B.Fab "License: Apache-2.0" at 119.3,42.867 h0.7
D59: B.Fab "License: Apache-2.0" at 125.3,42.817 h0.7; B.Fab "Author: Antmicro" at 125.3,41.733 h0.7
D60: F.Fab "Author: Antmicro" at 72.517,38.1 h0.7 r90; F.Fab "License: Apache-2.0" at 73.833,38.1 h0.7 r90
D61: F.Fab "License: Apache-2.0" at 93.533,37 h0.7 r90; F.Fab "Author: Antmicro" at 92.217,37 h0.7 r90
D63: F.Fab "License: Apache-2.0" at 82.284,36.067 h0.7; F.Fab "Author: Antmicro" at 82.284,37.383 h0.7
FB1: F.Fab "License: Apache-2.0" at 54.375,71.717 h0.7; F.Fab "Author: Antmicro" at 54.375,70.633 h0.7
FB2: B.Fab "License: Apache-2.0" at 48.117,69.562 h0.7 r270; B.Fab "Author: Antmicro" at 49.583,69.562 h0.7 r270
FB3: B.Fab "License: Apache-2.0" at 41.417,69.612 h0.7 r270; B.Fab "Author: Antmicro" at 42.883,69.612 h0.7 r270
FB4: F.Fab "Author: Antmicro" at 84.2,42.133 h0.7; F.Fab "License: Apache-2.0" at 84.2,40.667 h0.7
H1: F.Fab "License: Apache-2.0" at 57.725,40.367 h0.7; F.Fab "Author: Antmicro" at 57.725,39.283 h0.7
H2: F.Fab "License: Apache-2.0" at 121.325,40.354 h0.7; F.Fab "Author: Antmicro" at 121.325,39.271 h0.7
H3: B.Fab "Author: Antmicro" at 154.2,33.033 h0.7; B.Fab "License: Apache-2.0" at 154.2,31.717 h0.7
H4: B.Fab "License: Apache-2.0" at 49.2,31.717 h0.7; B.Fab "Author: Antmicro" at 49.2,33.033 h0.7
H5: B.Fab "License: Apache-2.0" at 154.2,83.217 h0.7; B.Fab "Author: Antmicro" at 154.2,84.533 h0.7
H6: B.Fab "Author: Antmicro" at 46.7,80.533 h0.7; B.Fab "License: Apache-2.0" at 46.7,79.217 h0.7
J1: F.Fab "License: Apache-2.0" at 107.813,61.565 h0.7 r90; F.Fab "Author: Antmicro" at 109.147,63.395 h0.7 r90
J2: B.Fab "License: Apache-2.0" at 110.699,77.014 h0.7 r90; B.Fab "Author: Antmicro" at 111.783,75.184 h0.7 r90
J3: B.Fab "PCB-EDGE" at 58.23,33.907 h0.7; B.Fab "Author: Antmicro" at 58.23,31.89 h0.7; B.Fab "License: Apache-2.0" at 58.23,30.772 h0.7
J4: F.Fab "License: Apache-2.0" at 69.328,32.122 h0.7; F.Fab "Author: Antmicro" at 69.328,29.838 h0.7; Dwgs.User "PCB edge" at 72.06,35.863 h0.7
J5: F.Fab "Author: Antmicro" at 107.978,29.753 h0.7; F.Fab "License: Apache-2.0" at 107.978,32.037 h0.7; Dwgs.User "PCB edge" at 110.71,35.778 h0.7
J6: F.Fab "Author: Antmicro" at 30.641,31.067 h0.7; F.Fab "License: Apache-2.0" at 30.641,29.55 h0.7
J7: B.Fab "License: Apache-2.0" at 153.623,86.32 h0.7 r90; B.Fab "Author: Antmicro" at 152.306,86.32 h0.7 r90
J8: B.Fab "Author: Antmicro" at 72.69,100.576 h0.7 r180; B.Fab "License: Apache-2.0" at 72.69,101.893 h0.7 r180
J9: B.Fab "License: Apache-2.0" at 89.982,30.663 h0.7; B.Fab "Author: Antmicro" at 89.982,31.98 h0.7; Cmts.User "Z-KEEPOUT 6.35mm" at 86.022,36.683 h0.35
J10: F.Fab "Author: Antmicro" at 44.813,61 h0.7 r270; F.Fab "License: Apache-2.0" at 43.297,61 h0.7 r270
J11: F.Fab "Author: Antmicro" at 137.667,77.165 h0.7 r90; F.Fab "License: Apache-2.0" at 136.583,75.335 h0.7 r90
J12: F.Fab "Author: Antmicro" at 53.465,31.273 h0.7; F.Fab "License: Apache-2.0" at 53.465,29.957 h0.7
J13: F.Fab "Author: Antmicro" at 87.665,25.633 h0.7; F.Fab "License: Apache-2.0" at 87.665,27.917 h0.7
J14: B.Fab "Author: Antmicro" at 135.5,31.887 h0.7; B.Fab "License: Apache-2.0" at 135.5,30.573 h0.7
J15: F.Fab "Author: Antmicro" at 54.556,63.711 h0.7; F.Fab "License: Apache-2.0" at 54.556,62.344 h0.7
L1: F.Fab "Author: Antmicro" at 67.85,75.954 h0.7; F.Fab "License: Apache-2.0" at 66.02,74.638 h0.7
L4: F.Fab "License: Apache-2.0" at 50.21,72.932 h0.7; F.Fab "Author: Antmicro" at 52.04,74.248 h0.7
M1: F.Fab "License: Apache-2.0" at 56.792,37.879 h0.7; F.Fab "Author: Antmicro" at 56.792,39.195 h0.7
M1: F.Fab "Author: Antmicro" at 229.02,117.212 h0.7 r90; F.Fab "License: Apache-2.0" at 230.336,117.212 h0.7 r90
M3: B.Fab "Author: Antmicro" at 226.088,113.68 h0.7 r180; B.Fab "License: Apache-2.0" at 226.088,114.997 h0.7 r180
M3: B.Fab "License: Apache-2.0" at 125.765,90.313 h0.7 r90; B.Fab "Author: Antmicro" at 124.448,90.313 h0.7 r90
Q1: F.Fab "Author: Antmicro" at 108.041,73.98 h0.7 r90; F.Fab "License: Apache-2.0" at 106.957,73.98 h0.7 r90
Q2: F.Fab "License: Apache-2.0" at 81.843,66.07 h0.7 r270; F.Fab "Author: Antmicro" at 80.759,66.07 h0.7 r270
Q3: F.Fab "Author: Antmicro" at 93.82,76.807 h0.7; F.Fab "License: Apache-2.0" at 93.82,75.491 h0.7
Q4: F.Fab "License: Apache-2.0" at 111.057,44.88 h0.7 r90; F.Fab "Author: Antmicro" at 112.141,44.88 h0.7 r90
Q5: B.Fab "Author: Antmicro" at 66.525,81.807 h0.7; B.Fab "License: Apache-2.0" at 68.355,80.491 h0.7
Q6: B.Fab "Author: Antmicro" at 64.702,74.637 h0.7 r90; B.Fab "License: Apache-2.0" at 66.319,74.6 h0.7 r90
Q7: B.Fab "Author: Antmicro" at 54.259,90.93 h0.7 r270; B.Fab "License: Apache-2.0" at 55.343,90.93 h0.7 r270
Q8: B.Fab "License: Apache-2.0" at 70.13,98.191 h0.7; B.Fab "Author: Antmicro" at 70.13,99.507 h0.7
Q9: F.Fab "Author: Antmicro" at 137.27,49.367 h0.7; F.Fab "License: Apache-2.0" at 137.27,48.051 h0.7
Q10: F.Fab "License: Apache-2.0" at 133.07,48.051 h0.7; F.Fab "Author: Antmicro" at 133.07,49.367 h0.7
Q11: B.Fab "License: Apache-2.0" at 59.553,90.18 h0.7 r270; B.Fab "Author: Antmicro" at 58.469,90.18 h0.7 r270
Q12: F.Fab "Author: Antmicro" at 92.141,50.58 h0.7 r90; F.Fab "License: Apache-2.0" at 91.057,50.58 h0.7 r90
Q13: F.Fab "License: Apache-2.0" at 56.65,49.967 h0.7; F.Fab "Author: Antmicro" at 56.65,48.883 h0.7